# Allegro board HI3516AREFB VER.D.brd (continued)
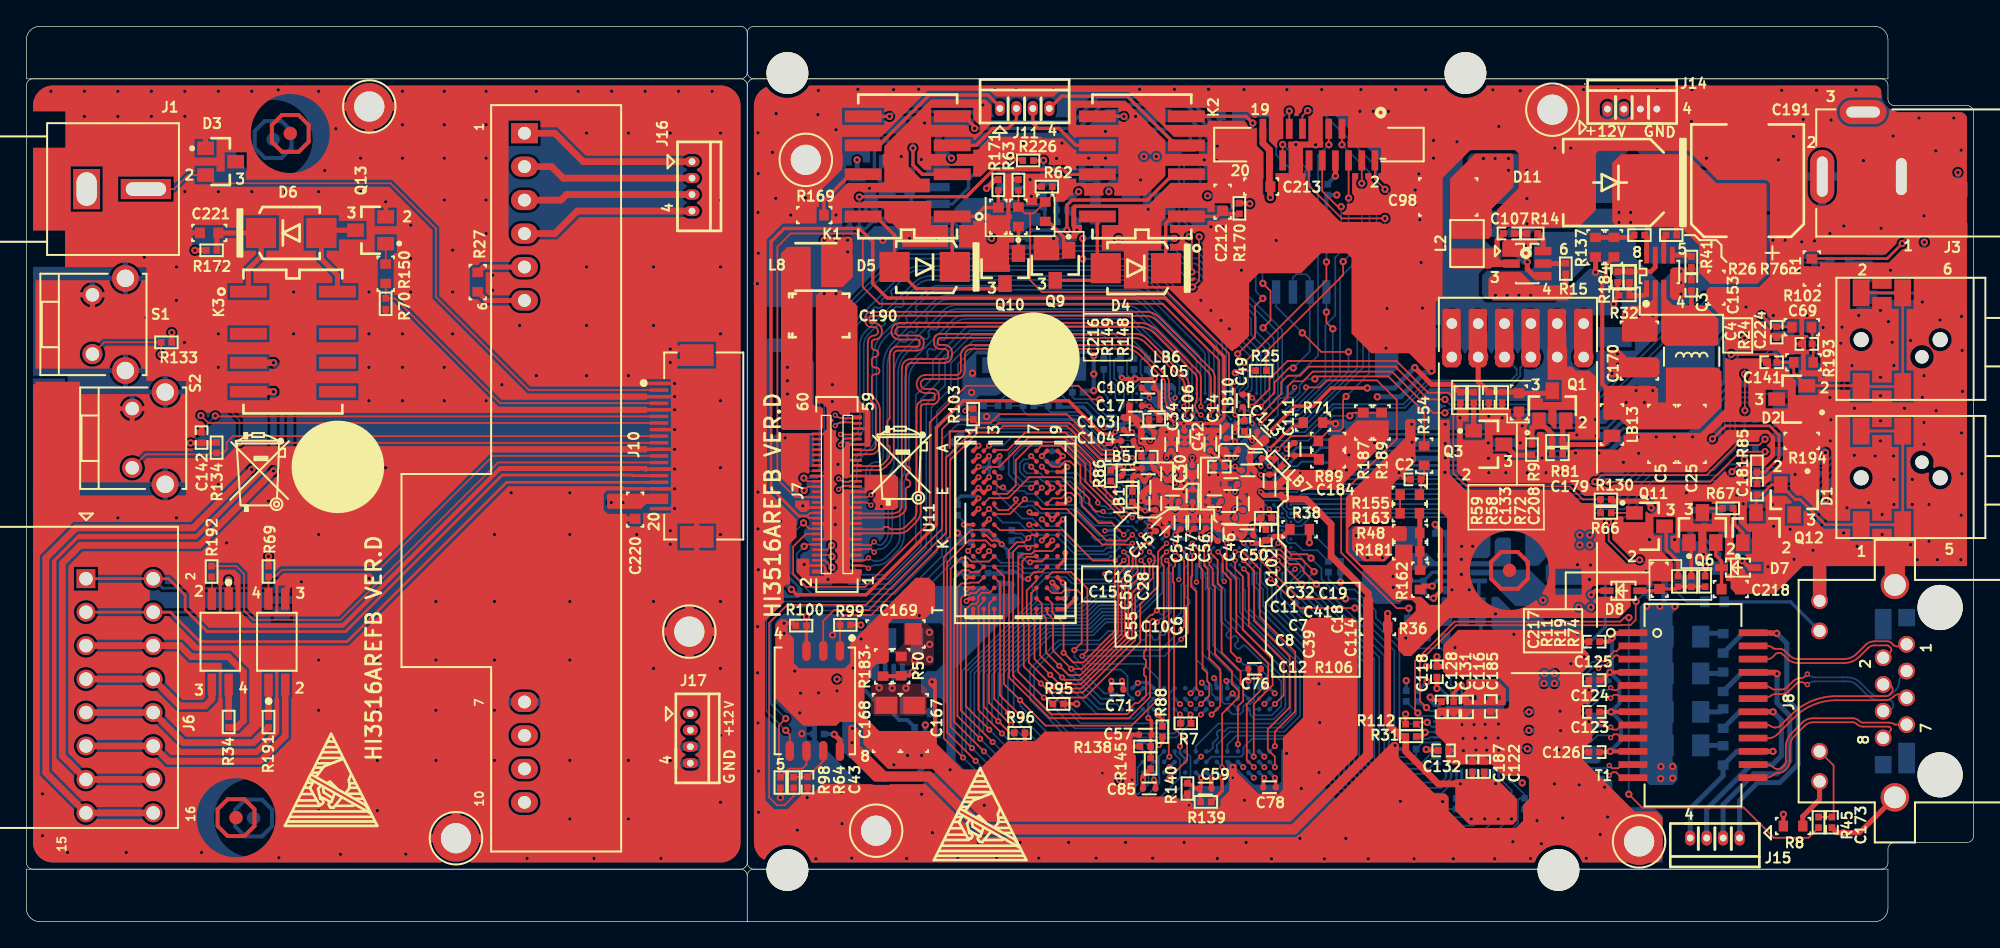
[diagram p0: board, top side]
## Routing (per net, layer and track width the routed paths; a pad name or vN(x,y) marks a point on that pad's centre or on a via; arc(x,y) is an arc through that point) (continued)
$5N578: length 3
  TOP w0.356: R26.2 121.8,51.94 R184.2 R137.1
$8N61: length 2.5
  TOP w0.254: R88.2 86.19,15.32 v3(85.82,15.68)
  BOTTOM w0.152: U12.L8 85.92,16.52 85.92,15.78 v3(85.82,15.68)
$8N208: length 2.4
  TOP w0.152: U11.L8 77.05,27.35 76.23,27.35 v3(76.16,27.28)
  BOTTOM w0.152: R87.2 75.95,27.28 v3(76.16,27.28)
$9N9: length 9
  BOTTOM w0.127: X1.1 75.53,40.65 76.28,39.9 76.28,39.32 R37.1 C200.1 77.53,38.83 77.68,38.68 79.97,38.68 81.62,37.03 82.1,37.03 U8.U1
$9N11: length 9.8
  BOTTOM w0.127: U8.U2 82.87,36.78 82.71,36.78 82.46,36.52 82.12,36.52 81.94,36.7 81.51,36.7 79.79,38.43 76,38.43 75.62,38.81 R37.2 R20.1
$9N21: length 4.9
  BOTTOM w0.127: X1.3 73.35,42.25 74.28,41.32 74.28,39.95 73.87,39.54 73.87,39.32 R20.2 C199.1
$9N36: length 6.6
  BOTTOM w0.127: X2.1 79.56,41.62 79.56,41.14 79.36,40.94 C197.1 79.36,39.85 79.54,39.67 80.68,39.67 81.88,38.46 82.62,38.46 U8.W2
$9N38: length 7
  BOTTOM w0.127: X2.2 77.4,41.51 77.91,40.99 77.91,40.97 78.34,40.53 C198.1 79.13,39.39 80.5,39.39 81.75,38.15 U8.W1
$9N193: length 5.9
  BOTTOM w0.127: U8.E19 94.3,29.36 95.44,29.36 95.61,29.18 95.61,28.9 95.78,28.73 96.3,28.73 96.84,28.19 97.95,28.19 R22.2
$9N253: length 3.3
  BOTTOM w0.127: R23.2 95.6,24.9 95.6,26.76 U8.B22
$9N273: length 19.9
  TOP w0.127: v1(100.79,23.81) 96.63,23.81 v2(94.4,26.03)
  BOTTOM w0.102: v2(94.4,26.03) 94.3,26.14 94.3,26.78 U8.B19
  BOTTOM w0.127: R29.2 103.79,14.84 103.79,20.57 101.28,23.08 101.28,23.32 v1(100.79,23.81)
$9N302: length 3.5
  TOP w0.127: U4.7 60.46,12.19 C43.1 58.25,10.99 R64.1
$9N313: length 12.7
  BOTTOM w0.127: U8.P1 81.83,34.9 79.29,37.44 71.32,37.44 R21.2
$10N55: length 2.7
  BOTTOM w0.13: R30.2 81.74,40.13 82.02,39.85 82.02,39.71 U8.AA1
$10N134: length 7.6
  BOTTOM w0.127: R105.1 97.67,29.38 95.81,29.38 95.6,29.59 95.6,29.86 95.44,30.02 95.11,30.02 94.98,30.15 94.98,30.45 94.75,30.68 94.3,30.68 U8.H19
$11N52: length 2
  BOTTOM w0.127: U5.6 96.1,54.83 R196.1
$11N242: length 6.5
  BOTTOM w0.203: C182.1 101.28,35.99 98.2,35.99 97.7,35.48 96.52,35.48 U8.P22
$11N297: length 4.9
  TOP w0.127: R25.2 91.88,41.83 v1(91.73,41.68)
  BOTTOM w0.127: v1(91.73,41.68) 92.08,41.32 92.08,40.79 91.69,40.4 91.69,39.1 U8.Y15
$11N310: length 1.9
  BOTTOM w0.127: R195.1 97.37,54.89 U5.7
$12N30: length 2.5
  BOTTOM w0.127: R35.2 109.7,10.58 U2.19
$12N55: length 2.2
  BOTTOM w0.127: U2.39 108.5,17.54 108.06,17.98 R33.1
$12N249: length 20.5
  TOP w0.305: C126.1 120.11,12.87 v1(120.17,12.93) T1.10 ; C123.1 120.23,15.92 v1(120.23,15.93) T1.7 ; T1.4 v1(120.14,18.93) 119.54,18.33 C124.1 ; T1.1 121.85,21.89 120.66,21.89 v1(120.3,21.54) 120.02,21.26 C125.1
  BOTTOM w0.305: v1(120.3,21.54) 120.3,19.09 v1(120.14,18.93) 120.86,18.21 120.86,16.56 v1(120.23,15.93) 120.99,15.18 120.99,13.75 v1(120.17,12.93)
$12N424: length 1.7
  BOTTOM w0.381: C193.1 128.71,13.38 R90.2
$12N434: length 1.8
  BOTTOM w0.381: R91.2 128.51,15.92 C194.1
$12N437: length 1.7
  BOTTOM w0.381: C195.1 128.63,18.84 R92.2
$12N444: length 1.8
  BOTTOM w0.381: C196.1 127.29,21.89 128.71,21.89 R93.2
$13N108:
  vias: v1(57.74,42.08) v1(57.74,41.07) v1(57.74,40.05)
$14N16: length 8.2
  BOTTOM w0.254: R46.1 133.84,24.28 J8.14
$14N24: length 4.7
  BOTTOM w0.127: R46.2 125.97,24.28 124.65,25.6 C172.1 R44.1
$14N29: length 6.5
  TOP w0.127: R45.1 C173.1 137.12,8.07 137.12,11.86 136.05,12.92 J8.15
$14N96: length 6.6
  TOP w0.381: 116.57,36.22 119.63,36.22 LB13.2 ; 116.57,36.22 R81.2 116.57,37.79 Q1.2 ; 116.57,36.22 C179.1
$14N104: length 2.5
  TOP w0.381: Q3.3 112.91,35.43 R9.1
$14N106: length 2.1
  TOP w0.381: Q3.1 R58.2
$14N148: length 3.9
  TOP w0.381: J8.16 136.05,9.27 134.78,8 R8.1
$14N159: length 4.9
  TOP w0.381: R9.2 114.23,37.49 Q1.1 115.76,37.03 R81.1 C179.2
$15N48: length 4.2
  BOTTOM w0.254: R10.2 126.28,29.33 R82.1 127.33,30.43 C180.2 128.27,30.42 Q2.1
$15N50: length 2.2
  BOTTOM w0.127: R60.2 125.03,25.83 Q4.1
$15N51: length 3.1
  BOTTOM w0.254: R10.1 128.48,27.93 Q4.3
$16N147: length 2
  BOTTOM w0.203: Q5.1 66.1,56.92 R185.2
$16N148: length 11.9
  BOTTOM w0.254: R185.1 65.54,55.44 Q5.2 64.35,56.64 64.35,58.49 R190.1 ; R185.1 67.33,55.76 U16.7 ; R185.1 67.14,55.32 R188.2 C243.2 65.23,54.17 R225.1
$16N152: length 12.8
  TOP w0.254: v1(74.81,57.88) 75.5,57.88 R226.2
  BOTTOM w0.254: R203.2 66.02,53.26 C243.1 R188.1 67.17,53.39 67.5,53.39 68.6,54.49 U16.6 70.27,54.49 71.48,55.7 71.48,56.36 73.01,57.88 v1(74.81,57.88)
$16N156: length 6.8
  BOTTOM w0.254: U16.5 70.23,53.22 70.59,52.85 R209.1 71.64,51.86 R228.2 71.69,52.27 71.94,52.52 73.44,52.52 R206.2
$16N158: length 4.5
  TOP w0.254: v1(77.17,57.8) 77.16,57.78 R226.1
  BOTTOM w0.254: v1(77.17,57.8) R229.2 76.98,57.03 U16.1
$16N159: length 3.8
  BOTTOM w0.254: R204.2 78.14,56.03 R229.1 76.9,55.76 U16.2
$16N166: length 1.9
  BOTTOM w0.254: R211.1 78.16,53.18 R200.1 R221.2
$16N170: length 2.1
  BOTTOM w0.254: R210.2 80.07,57.07 R205.1 R204.1
$16N171: length 2.7
  BOTTOM w0.254: R210.1 C227.1 81.24,54.89 R186.2
$16N199: length 4
  BOTTOM w0.254: R211.2 77.27,53.26 77.27,54.15 R208.1 77.02,54.41 74.58,54.41 U16.3
$16N257: length 1.6
  TOP w0.381: C107.2 112.07,52.22 111.59,51.74 111.59,50.85
$16N258: length 1
  TOP w0.381: R14.2 C107.1
$16N262: length 2.7
  BOTTOM w0.381: R18.1 111.44,53.54 R16.1 R13.2
$16N263: length 3.3
  TOP w0.381: v1(113.88,50.08) 113.88,49.55 114.42,49.01 U15.4
  BOTTOM w0.381: v1(113.88,50.08) 113.6,50.08 R13.1
$16N265: length 1.7
  TOP w0.381: U15.5 116.77,49.96 R15.2
$16N272: length 1.5
  TOP w0.381: U15.6 115.08,51.83 R14.1
$17N10: length 1.9
  BOTTOM w0.127: C159.2 89.06,55.56 U13.12
$17N32: length 2.2
  BOTTOM w0.254: C139.1 91.75,55.32 90.56,56.51 U13.9
$17N46: length 2.4
  BOTTOM w0.254: R77.1 88.09,61.13 89.06,60.17 U13.1
$17N50: length 1.5
  BOTTOM w0.254: R78.1 90.56,61.16 U13.4
$17N80: length 9
  TOP w0.254: R171.2 C216.1 72.66,54.21 71.99,53.53 K1.1 70.25,49.9 D5.2
$17N83: length 14.6
  TOP w0.254: K1.8 64.45,53.53 65.87,52.12 D5.1 67.52,48.05 73.87,48.05 Q10.3
$17N87: length 2.1
  TOP w0.254: Q10.1 R149.2
$17N129: length 9.5
  TOP w0.254: R170.2 90.98,53.74 C212.1 90.34,53.53 K2.1 86.97,53.53 86.44,53.01 86.44,49.64 D4.2
$17N132: length 3.1
  TOP w0.254: Q9.1 78.7,51.35 78.7,51.99 77.53,53.16 R148.2
$17N133: length 8.4
  TOP w0.254: Q9.3 80.98,48.69 D4.1 81.26,50.25 K2.8
$18N47: length 2.5
  BOTTOM w0.254: R175.2 146.26,50.72 146.59,50.39 LED1.1 LED1.3
$18N52: length 4.7
  BOTTOM w0.254: Q7.3 144.16,48.44 LED1.4
$18N54: length 2.8
  BOTTOM w0.254: Q7.1 140.25,49.75 139.94,50.06 R177.2
$18N62: length 2
  BOTTOM w0.254: R176.2 139.1,51.33 139.34,51.09 Q7.2
$18N72: length 1.9
  BOTTOM w0.254: R179.2 136.71,46.4 Q8.1
$18N75: length 1.6
  BOTTOM w0.254: Q8.2 136.08,48.43 R178.2
$18N77: length 6.9
  BOTTOM w0.254: Q8.3 140.08,47.71 LED1.2
$18N416: length 1.8
  TOP w0.127: Q11.1 R66.1
$18N425: length 4.2
  TOP w0.254: Q11.3 124.42,29.89 124.42,28.24 125.31,27.35 R11.1
$18N427: length 5.1
  TOP w0.254: D8.2 123.77,25.12 C217.1 125.14,25.26 R11.2 125.31,25.43 126.32,25.43 R19.1 126.33,25.43 R74.1
$18N435: length 3.7
  TOP w0.254: C218.1 128.62,26.87 D7.1 128.61,27.38 128.18,27.81 Q6.2
$18N438: length 2.6
  TOP w0.254: Q6.1 126.32,28.6 126.32,26.24 R19.2
$18N440: length 1.7
  TOP w0.254: Q6.3 127.48,31.38 R67.2
$18N442: length 2.9
  TOP w0.254: R67.1 129.62,31.25 129.62,30.14 130.22,29.54 Q12.1
$18N491: length 2.7
  TOP w0.203: R102.1 135.49,45.08 C69.1 135.57,43.79 R193.2
$18N517: length 12
  TOP w0.203: v1(142.32,51.48) 141.18,50.34 135.49,50.34 R1.1
  BOTTOM w0.381: LED2.2 143.3,52.46 v1(142.32,51.48)
$19N51: length 1.7
  TOP w0.127: R192.2 14.08,26.15 U10.2
$19N55: length 2.4
  TOP w0.508: R191.1 U9.1
$19N64: length 9.5
  TOP w0.381: R172.2 14.46,52.18 C221.1 D6.2 17.81,50.51 16.84,49.54 K3.1
$19N66: length 1.5
  TOP w0.127: R150.2 Q13.1
$19N67: length 7.6
  TOP w0.381: Q13.3 22.59,52.49 D6.1 22.38,50.31 23.6,49.09 K3.8
$19N114: length 2.4
  TOP w0.508: U10.4 15.35,15.57 R34.1
$19N229: length 3.8
  TOP w0.381: U1.6 34.91,47.16 R27.1
$19N230: length 3.7
  TOP w0.381: R27.2 34.65,49.7 U1.5

## Copper pours and planes (outline as drawn; the poured copper is in the pictures)
1V1_MEDIA_CORE on BOTTOM (solid shape): 119.06,29.71 119.06,28.27 118.78,27.99 115.65,27.99 114.69,27.02 113.8,27.02 113.72,27.1 113.72,29.64 114.05,29.97 118.8,29.97
1V1_MEDIA_CORE on POWER02 (solid shape): outline of 313 points within 90.13,28.24 119.44,35.43
1V1_VDD_DDR_CPU_CORE on TOP (solid shape): 104.73,29.89 104.73,29 104.6,28.88 103.72,28.88 103.59,28.75 103.59,27.89 103.06,27.35 101.48,27.35 100.59,28.24 100.59,29.79 100.82,30.02 104.6,30.02
1V1_VDD_DDR_CPU_CORE on BOTTOM (solid shape): 105.93,29.82 105.93,28.85 105.57,28.49 103.97,28.49 103.96,28.48 103.69,28.48 103.39,28.18 103.39,27.74 103,27.35 101.02,27.35 100.31,28.06 100.31,29.71 100.62,30.02 105.72,30.02
1V1_VDD_DDR_CPU_CORE on POWER02 (solid shape): outline of 554 points within 85.84,26.74 103.74,36.33
1V05_REGOUT on BOTTOM (solid shape): 115.93,19.94 115.93,19.12 116.06,19.12 116.34,18.84 116.34,17.93 116.21,17.8 113.57,17.8 113.42,17.95 113.42,19.6 115.4,19.6 115.4,19.99 115.15,19.99 115.15,19.6 113.42,19.6 113.42,19.96 113.57,20.11 115.76,20.11
1V05_REGOUT on POWER02 (solid shape): outline of 85 points within 105.8,12.57 116.29,19.58
1V8 on TOP (solid shape): 63.25,14.47 63.25,13.36 65.64,10.97 65.64,10.89 65.39,10.64 64.32,10.64 62.36,12.59 62.36,14.8 62.47,14.91 62.82,14.91
1V8 on BOTTOM (solid shape): 63.74,16.46 63.74,15.29 64.04,14.98 64.04,12.49 63.94,12.39 62.47,12.39 61.91,12.95 61.91,16.66 62.06,16.81 63.38,16.81
1V35 on TOP: 68.84,22.12 68.84,19.66 68.64,19.45 66.25,19.45 65.95,19.76 65.95,20.52 66.56,21.13 66.56,22.58 66.66,22.68 68.28,22.68
1V35 on BOTTOM: 67.11,22.32 69.2,22.32 69.35,22.17 69.35,19.91 69.02,19.58 67.27,19.58 67.11,19.73
1V35 on POWER02: 70.47,29.03 70.47,29.09 70.54,29.09 70.96,29.21 71.06,29.63 71.07,29.72 71.15,29.77 71.49,30.02 71.38,30.43 70.93,30.47 70.75,30.06 70.73,29.98 70.65,29.94 70.59,29.94 70.53,29.95 70.47,30.04 70.47,34.8 72.35,36.67 73.67,36.67 74.23,37.23 78.93,37.23 81.67,34.49 82.97,34.49 82.98,34.46 83.22,34.27 83.5,34.38 83.67,34.38 83.7,34.35 83.74,34.32 83.99,34.07 84.66,33.4 85.46,33.4 85.88,32.98 85.88,32.13 86.24,31.77 86.24,30.91 87.36,29.79 90.05,29.79 90.06,29.78 91.11,29.78 91.19,29.74 91.21,29.66 91.19,29.54 91.22,29.43 91.26,29.36 91.32,29.3 91.43,29.25 91.55,29.23 91.74,29.31 91.84,29.48 91.92,29.55 92.02,29.53 92.35,29.19 92.38,29.09 92.3,29.02 92.07,28.63 92.49,28.44 92.64,28.3 92.64,27.96 93.83,26.76 93.83,25.52 97.09,22.26 97.09,11.6 94.62,9.14 73.34,9.14 68.97,13.51 68.97,16.54 67.45,18.06 67.45,18.06 67.04,18.47 67.04,25.6
3V3 on TOP (solid shape): 62.69,51.86 62.69,48.94 61.93,48.18 60.44,48.18 60.31,48.31 60.31,51.9 60.41,51.99 62.57,51.99
3V3 on TOP (solid shape): 128.61,41.75 128.61,39.06 126.93,37.38 121.65,37.38 120.91,38.12 119.84,38.12 119.67,38.3 119.67,40.51 119.84,40.69 123.58,40.69 123.81,40.46 123.81,39.42 124.39,39.42 124.39,41.88 124.57,42.06 128.3,42.06
3V3 on TOP (solid shape): 112.25,17.65 112.25,16.51 112.16,16.42 109.11,16.42 108.92,16.61 108.92,16.81 111.84,16.81 111.84,17.19 111.59,17.19 111.59,16.81 110.95,16.81 110.95,17.19 110.7,17.19 110.7,16.81 110.07,16.81 110.07,17.19 109.81,17.19 109.81,16.81 109.68,16.81 109.68,17.19 109.43,17.19 109.43,16.81 108.92,16.81 108.92,17.27 109.25,17.6 109.25,17.78 109.26,17.82 109.28,17.87 109.28,17.93 109.28,17.99 109.26,18.04 109.25,18.08 109.25,18.31 109.35,18.41 111.49,18.41
3V3 on BOTTOM (solid shape): 87.71,58.7 88.63,58.7 88.68,58.66 88.68,58.51 88.62,58.45 87.76,58.45 86.74,57.43 84.82,57.43 84.41,57.83 84.41,58.72 84.92,59.23 87.18,59.23
3V3 on BOTTOM (solid shape): 115.48,25.29 118.73,25.29 119.03,24.99 119.03,23.72 118.63,23.31 115.32,23.31 114.69,23.95 112.99,23.95 111.5,25.43 111.5,25.83 111.25,26.08 111.25,26.09 111.06,26.29 109.67,26.29 109.57,26.39 109.57,26.68 109.61,26.72 114.05,26.72
3V3 on TOP: 64.3,18.06 67.93,18.06 68.33,17.65 68.33,15.87 68.08,15.62 64.35,15.62 64.09,15.87 64.09,17.85
3V3 on BOTTOM: 65.62,19.6 66,19.6 66,18.23 66.16,18.07 66.85,18.07 67.01,17.9 67.01,17.52 66.84,17.34 64.47,17.34 64.4,17.42 64.4,17.98 64.47,18.06 65.44,18.06 65.62,18.23
3V3 on POWER02: outline of 318 points within 55.71,5 146.73,62.97 ; 5 cut-outs
3V3_CON on TOP (solid shape): 46.68,32.47 48.65,32.47 48.67,32.45 48.67,31.76 48.66,31.73 48.62,31.71 47.02,31.71 46.65,31.34 44.18,31.34 44.05,31.47 44.05,32.37 44.16,32.48 46.68,32.48
3V3_CON on POWER02: 2.06,5.25 52.61,5.25 53.42,6.07 53.42,61.95 52.66,62.71 1.71,62.71 1.27,62.28 1.27,6.04
3V3_WIFI on TOP (solid shape): 110.83,46.4 110.83,42.34 110.57,42.08 109.68,42.08 109.43,42.34 109.43,46.4 109.56,46.53 110.7,46.53
12V0 on TOP (solid shape): 114.38,48.31 117.18,48.31 117.3,48.18 117.3,47.54 116.92,47.16 111.26,47.16 110.93,47.49 110.93,48.81 111.44,49.32 113.37,49.32
12V0 on TOP (solid shape): 123.76,48.61 123.76,44.17 123.63,44.04 121.14,44.04 121.06,44.12 121.06,46.17 121.65,46.76 122.89,46.76 123.4,47.27 123.4,48.64 123.45,48.69 123.68,48.69
12V0 on TOP (solid shape): 128.23,56.05 131.91,56.05 132.04,55.93 132.04,49.15 131.33,48.43 127.74,48.43 126.93,49.25 126.93,51.33 125.51,52.75 120.71,52.75 120.33,53.13 120.33,57.6 120.99,58.26 126.02,58.26
12V0 on BOTTOM (solid shape): 122.11,53.92 122.11,50.34 124.04,48.41 124.04,46.02 123.65,45.64 121.34,45.64 121.04,45.94 121.04,48.43 119.39,50.08 118.6,50.08 115.78,47.27 110.8,47.27 110.45,47.62 110.45,49.07 110.8,49.42 114.1,49.42 114.36,49.68 114.36,51.08 114.38,51.1 114.38,52.12 114.64,52.37 117.38,52.37 117.94,52.93 117.94,53.89 118.17,54.12 121.9,54.12
DVDDIO_ETH on TOP (solid shape): 113.09,9.32 113.09,7.67 112.78,7.36 109.48,7.36 108.41,8.43 108.41,10.74 108.49,10.82 111.59,10.82
DVDDIO_ETH on POWER02 (solid shape): outline of 550 points within 92.83,22.5 103.59,29.11
GND on TOP (solid shape): 116.83,46.4 116.83,42.34 116.57,42.08 115.68,42.08 115.43,42.34 115.43,46.4 115.56,46.53 116.7,46.53
GND on TOP (solid shape): 125.81,49.53 125.81,47.44 125.56,47.19 124.95,47.19 124.72,47.42 124.72,49.48 124.9,49.65 125.69,49.65
GND on TOP (solid shape): 78.32,51.9 78.32,51.84 78.31,51.84 78.31,51.35 78.37,51.29 78.37,50.21 76.42,50.21 76.42,52.12 78.1,52.12
GND on TOP (solid shape): 121.45,42.85 123.65,42.85 123.91,42.59 123.91,41.58 123.65,41.32 120.18,41.32 120.02,41.47 120.02,43.2 120.23,43.4 120.89,43.4
GND on TOP (solid shape): 114.68,51.67 114.68,51.43 114.24,51.43 114.24,50.55 114.19,50.46 114.09,50.46 113.83,50.52 113.6,50.42 113.54,50.41 113.51,50.46 113.51,50.48 111.97,50.48 111.97,50.75 111.98,50.8 111.98,50.85 111.98,51.57 112.2,51.79 114.56,51.79
GND on TOP (solid shape): outline of 85 points within 70.77,49.32 74.94,56.79
GND on TOP (solid shape): outline of 189 points within 56.83,7.59 101,26.11
GND on TOP (solid shape): outline of 511 points within 57.25,25.68 66.15,47.92
GND on TOP (solid shape): outline of 1226 points within 83.04,28.92 103.36,39.42
GND on TOP (solid shape): outline of 4499 points within 55.2,4.49 147.23,63.48
GND on BOTTOM (solid shape): 119.44,13.23 119.44,12.19 119.26,12.01 116.16,12.01 116.01,12.16 116.01,13.23 116.14,13.36 119.31,13.36
GND on BOTTOM (solid shape): 119.16,27.02 119.16,25.95 118.78,25.57 115.58,25.57 115.27,25.88 115.27,27.02 115.6,27.35 118.83,27.35
GND on BOTTOM (solid shape): 135.21,49.58 135.49,49.58 135.49,49.17 135.39,49.17 135.39,47.77 133.76,47.77 133.76,48.41 132.85,48.41 132.85,47.43 132.04,47.43 132.04,48.06 133.75,49.77 135.21,49.77
GND on BOTTOM (solid shape): 104.17,26.11 104.17,25.27 104.33,25.12 105.14,25.12 105.14,24.74 105.11,24.71 104.6,24.71 104.48,24.58 104.48,24.41 104.2,24.13 102.32,24.13 101.33,25.12 101.33,26.56 101.52,26.76 103.53,26.76
GND on BOTTOM (solid shape): 112.76,23.57 114.51,23.57 115.27,22.81 117.76,22.81 118.02,22.55 118.02,21.31 117.71,21 112.81,21 112.4,21.42 112.4,22.12 111.34,22.12 111.16,22.3 111.16,24.57 111.26,24.67 111.65,24.67
GND on BOTTOM (solid shape): 125.41,24.16 125.41,23.9 124.9,23.39 124.9,12.21 125.28,11.83 125.28,10.75 124.9,10.37 123.16,10.37 122.41,11.12 122.41,23.93 122.75,24.27 125.31,24.27
GND on BOTTOM (solid shape): 119.82,15.81 119.86,15.71 119.92,15.63 119.92,14.99 119.87,14.9 119.85,14.8 119.84,14.79 119.77,14.72 118.97,14.72 118.47,14.22 116.22,14.22 116.11,14.32 116.11,14.61 116.26,14.77 117.54,14.77 118.65,15.87 119.76,15.87
GND on BOTTOM (solid shape): 73.41,53.97 75.59,53.97 75.59,54.08 76.72,54.08 76.72,53.79 76.94,53.79 76.94,53.12 76.94,52.83 76.15,52.83 75.67,52.36 75.67,52.32 75.55,52.32 75.55,52.19 75.37,52.19 75.37,52.32 74.11,52.32 73.58,52.85 71.8,52.85 71.45,52.5 70.92,52.5 70.92,52.99 70.42,53.5 70.42,54.16 71.19,54.94 73.41,54.94
GND on BOTTOM (solid shape): 136.4,34.25 136.5,34.19 136.48,34.07 135.74,33.33 129.43,33.33 129.34,33.42 129.34,33.61 129.46,33.73 129.48,33.73 129.72,33.85 129.84,34.09 129.84,34.11 129.98,34.25
GND on BOTTOM (solid shape): 111.08,29.77 111.08,27.84 110.85,27.61 109.3,27.61 109.3,26.77 109.25,26.72 109.25,26.23 109.36,26.12 109.36,25.49 109.69,25.49 109.82,25.37 109.82,24.94 109.71,24.84 107.58,24.84 107.45,24.96 107.45,25.39 107.55,25.49 108.49,25.49 108.49,27.83 108.49,27.83 108.49,28.55 108.8,28.85 109.68,28.85 109.99,29.16 109.99,29.79 110.17,29.97 110.88,29.97
GND on BOTTOM (solid shape): 92.82,52.6 92.82,49.2 92.36,48.74 91.85,48.74 89.15,51.44 89.12,51.53 89.18,51.6 89.4,52.1 88.95,52.42 88.93,52.42 88.11,53.24 88.11,54.16 88.35,54.4 91.02,54.4
GND on BOTTOM (solid shape): 122.51,29.48 123.86,29.48 123.86,29.53 124.21,29.53 124.21,29.48 125.2,29.48 125.81,28.87 125.81,28.87 127.07,28.87 127.73,28.21 127.73,27.75 127.38,27.4 127.33,27.4 127.31,27.4 126.99,27.13 127.04,26.72 125,26.72 125,26.89 125,26.89 125,27.91 124.62,27.91 124.62,27.91 123.73,27.91 123.73,28.6 122.82,28.6 122.82,27.91 122.29,27.91 121.93,28.27 121.93,29.38 122.08,29.53 122.51,29.53
GND on BOTTOM (solid shape): 137.31,41.13 137.31,35.49 136.49,34.68 134.72,34.68 134.6,34.79 134.6,35.78 134.76,35.94 135.52,35.94 136.18,35.28 136.82,35.28 136.82,35.93 136.43,36.32 136.43,38.06 135.05,39.44 135.03,39.44 134.42,40.05 134.42,40.56 134.15,40.84 132.67,40.84 132.67,41.53 134.27,41.53 134.42,41.68 134.42,42.8 134.73,43.1 135.34,43.1
GND on BOTTOM (solid shape): 118.88,18.97 118.95,19 119.03,18.97 119.21,18.87 119.42,18.89 119.62,18.89 119.74,18.77 119.86,18.6 120.05,18.51 120.06,18.5 120.27,18.29 120.29,18.18 120.2,18.12 119.99,18.05 119.84,17.85 119.81,17.84 119.43,17.84 117.19,15.61 116.22,15.61 116.09,15.74 116.09,16.24 116.39,16.54 116.45,16.54
GND on BOTTOM (solid shape): outline of 83 points within 70.54,37.96 76.64,43.35
GND on BOTTOM (solid shape): outline of 980 points within 55.2,4.49 124.14,41.32
GND on BOTTOM (solid shape): outline of 1858 points within 81.49,28.9 94.12,40.91
GND on BOTTOM (solid shape): outline of 2864 points within 55.2,25.83 147.23,63.48
GND on POWER02: 59.1,25.37 58.12,26.35 58.12,34.08 60.49,36.45 60.49,43.53 64.6,47.65 86.52,47.65 86.53,47.63 89.24,47.63 91.16,45.71 91.57,45.3 91.57,41.42 91.88,41.12 91.88,40.84 91.87,40.83 91.87,38.57 91.15,37.85 91.15,36.7 91.04,36.6 86.24,36.6 86.19,36.64 86.19,40.37 85.77,40.79 85.75,40.83 85.74,40.87 85.84,40.93 85.92,41.01 85.98,41.31 85.8,41.55 85.48,41.59 85.25,41.36 85.21,41.37 85.17,41.39 83.74,42.83 73.4,42.83 71.89,41.31 71.26,41.31 68.17,38.21 68.17,29.9 63.63,25.37
GND on GND03: 59.55,4.49 59.45,4.74 59.32,4.97 59.05,5.3 58.71,5.55 57.58,5.81 56.5,5.36 56.25,5.09 56.05,4.77 55.99,4.72 55.9,4.73 55.39,5.28 55.2,6.02 55.2,61.95 55.47,62.81 56.17,63.37 56.28,63.22 56.4,63.09 56.41,63.07 58,62.55 59.38,63.48 107.54,63.48 109.18,62.53 110.82,63.48 114.62,63.48 114.72,63.4 114.68,63.29 115.78,59.66 116.88,63.29 116.84,63.4 116.94,63.48 140.23,63.48 140.58,63.33 140.73,62.97 140.74,62.79 140.77,62.62 140.74,62.52 140.64,62.5 140.43,62.56 140.22,62.58 138.49,62.58 137.37,61.46 138.49,60.34 140.22,60.34 141.04,60.71 141.33,61.56 141.38,61.65 141.48,61.65 141.86,61.5 142.26,61.44 146.73,61.44 147.08,61.29 147.23,60.94 147.23,33.91 147.23,27 134.75,27 133.13,25.37 127.52,25.37 125.48,23.34 125.48,10 123.31,7.83 123.28,7.85 120.75,7.25 120.99,4.66 121.01,4.55 120.91,4.49 118.05,4.49 116.24,5.82 114.44,4.49
PGND on TOP (solid shape): outline of 3522 points within 0.51,4.49 54.19,63.48
PGND on BOTTOM (solid shape): outline of 4013 points within 0.51,4.49 54.19,63.48
PGND on GND03 (solid shape): outline of 4020 points within 0.51,4.49 54.19,63.48
IRIS_5V0 on TOP (solid shape): 112.83,58.19 112.83,55.77 111.18,54.12 111.18,52.09 110.93,51.84 108.16,51.84 108.02,51.98 108.02,56.02 108.03,56.03 108.03,56.41 109.94,58.31 112.71,58.31
IRIS_5V0 on BOTTOM (solid shape): 113.22,58.19 113.22,54.58 113.11,54.48 110.68,54.48 109.35,55.8 109.35,58.04 109.63,58.31 113.09,58.31
IRIS_5V0 on POWER02 (solid shape): outline of 2210 points within 62.31,56.66 112.83,62.91
Net_93 on TOP (solid shape): 108.83,46.4 108.83,42.34 108.57,42.08 107.68,42.08 107.43,42.34 107.43,46.4 107.56,46.53 108.7,46.53
Net_93 on TOP (solid shape): 118.83,46.4 118.83,42.34 118.57,42.08 117.68,42.08 117.43,42.34 117.43,46.4 117.56,46.53 118.7,46.53
Net_119 on BOTTOM (solid shape): 107.04,43.61 104.51,43.61 104.51,45.06 107.04,45.06
Net_119 on BOTTOM (solid shape): 121.79,43.61 119.26,43.61 119.26,45.14 121.79,45.14
Net_144 on BOTTOM (solid shape): 143.29,22.43 142.02,22.43 142.02,23.75 143.29,23.75
Net_145 on BOTTOM (solid shape): 141.51,21.41 140.24,21.41 140.24,23.75 141.51,23.75
Net_146 on BOTTOM (solid shape): 143.29,11.25 142.02,11.25 142.02,13.59 143.29,13.59
Net_147 on BOTTOM (solid shape): 141.51,11.25 140.24,11.25 140.24,12.57 141.51,12.57
POE_12V on BOTTOM (solid shape): 121.6,62.12 121.6,58.57 120.61,57.58 120.61,54.81 120.35,54.56 118.17,54.56 118.07,54.66 118.07,58.44 119.57,59.94 119.57,62 119.82,62.25 121.47,62.25
POE_12V_CON on POWER02 (solid shape): 51.69,16.61 51.69,14.78 50.91,14 49.82,14 49.74,14.04 49.65,14.05 46.88,14.05 46.08,13.25 36.9,13.25 36.68,13.48 36.68,14.78 36.97,15.08 40.09,15.08 40.1,15.09 40.43,15.09 42.41,17.07 51.23,17.07
USB_DM on TOP (solid shape): 112.83,46.4 112.83,42.34 112.57,42.08 111.68,42.08 111.43,42.34 111.43,46.4 111.56,46.53 112.7,46.53
USB_DP on TOP (solid shape): 114.83,46.4 114.83,42.34 114.57,42.08 113.68,42.08 113.43,42.34 113.43,46.4 113.56,46.53 114.7,46.53
$5N189 on BOTTOM (solid shape): 112.63,29.03 112.63,27.02 112.58,26.97 109.56,26.97 109.56,27.35 110.95,27.35 111.4,27.8 111.4,28.91 111.64,29.16 112.5,29.16
$5N227 on BOTTOM (solid shape): 106.89,27.35 108.02,27.35 108.13,27.25 108.13,27.04 108.05,26.97 106.38,26.97 106.13,26.72 104.05,26.72 103.84,26.92 103.84,27.86 103.97,27.99 106.26,27.99
$5N272 on BOTTOM: 65.01,17.04 65.31,17.04 65.34,17.01 65.34,15.59 66.17,14.75 66.17,12.52 66.1,12.44 64.98,12.44 64.87,12.56 64.87,15.58 64.98,15.69 64.98,17.01
$5N295 on BOTTOM: 65.01,18.31 65.29,18.31 65.34,18.36 65.34,19.73 66,20.39 66,22.27 65.95,22.32 64.63,22.32 64.37,22.07 64.37,20.52 65.01,19.88
$5N399 on BOTTOM (solid shape): outline of 93 points within 126.7,53.93 138.02,58.97
$5N405 on BOTTOM (solid shape): 126.07,56.74 126.07,54.15 126.83,53.39 129.12,53.39 129.37,53.13 129.37,50.21 129.12,49.96 123.22,49.96 122.77,50.42 122.77,56.89 122.99,57.12 125.69,57.12
$5N498 on TOP (solid shape): 124.42,48.69 124.42,47.32 124.94,46.8 127.33,46.8 128.37,45.75 128.37,43.86 128.24,43.73 124.34,43.73 124.04,44.04 124.04,48.69 124.09,48.74 124.37,48.74
$12N66 on BOTTOM (solid shape): 112.86,19.99 112.86,16.84 112.73,16.71 112.1,16.71 112.01,16.8 112.01,17.55 111.67,17.89 111.67,20.06 111.72,20.11 112.73,20.11
$13N108 on TOP (solid shape): 59.49,48.14 59.65,47.99 59.65,39.34 59.9,39.09 60.29,39.09 60.46,38.92 60.46,37.48 60.31,37.34 59.4,37.34 59.4,37.33 57.38,37.33 57.25,37.46 57.25,50.74 57.74,51.23 59.49,51.23
$13N108 on BOTTOM (solid shape): 59.77,42.46 59.77,37.64 59.65,37.51 57.36,37.51 57.23,37.64 57.23,42.46 57.36,42.59 59.65,42.59
$16N257 on TOP (solid shape): 111.72,50.97 111.72,50.34 111.84,50.21 113.11,50.21 113.24,50.08 113.24,49.83 113.11,49.7 111.21,49.7 111.08,49.58 108.19,49.58 108.03,49.73 108.03,50.97 108.16,51.1 111.59,51.1
GND on BOTTOM (solid shape): 90.63,59.15 90.65,59.12 90.66,59.09 90.66,57.56 90.63,57.5 90.56,57.48 90.44,57.45 90.34,57.39 90.31,57.38 90.28,57.39 89.92,57.45 89.73,57.14 89.73,56.51 89.73,56.31 89.39,56.31 89.39,57.14 89.29,57.38 89.06,57.48 88.99,57.5 88.96,57.56 88.96,59.09 88.97,59.12 88.99,59.15

## Text on the board
BOTTOM: HI3516AREFB VER.D ARTWORK BOTTOM
Package Geometry/Pastemask Bottom: HI3516AREFB VER.D PASTEMASK BOTTOM
Ref Des/Silkscreen Bottom: 3 | HI3516AREFB VER.D SILKSCREEN BOTTOM
User.Comments: HI3516AREFB VER.D SOLDMASK TOP | HI3516AREFB VER.D SOLDMASK BOTTOM
TOP: HI3516AREFB VER.D ARTWORK TOP
Package Geometry/Pastemask Top: HI3516AREFB VER.D PASTEMASK TOP
Ref Des/Silkscreen Top: 12 | V | G | N | D | HI3516AREFB VER.D | HI3516AREFB VER.D SILKSCREEN TOP
POWER02: HI3516AREFB VER.D ARTWORK LAYER02
GND03: HI3516AREFB VER.D ARTWORK LAYER03
DIMENSION: 130 | C | 150 | Single Impedance | Diff Impedance | 100 ohm | 50 ohm | 90 ohm | Layer | 4 | 1 | 1,4 | Trace Width(mil) | Trace W/S(mil) | 5.01/7.0 | 5.5/5.0 | 5.1 | Tolerance | + | - | 10% | Ref Layer | 02 | 03 | Remark | HI3516AREFB VER.D DRILL CHART | V-CUT
User.12: FIGURE | SIZE | 8.0 | 10.0 | 20.0 | 31.5 | 36.0 | 38.0 | 40.0 | 52.0 | 65.0 | 90.0 | 45.0 | 125.0 | 135.0 | 100.0x32.0 | 100.0x60.0 | 110.0x32.0 | 120.0x32.0 | 120.0x40.0 | DRILL CHART: TOP to BOTTOM | ALL UNITS ARE IN MILS | TOLERANCE | +3.0/-3.0 | +0.0/-0.0 | +2.0/-2.0 | +4.0/-4.0 | PLATED | NON-PLATED | QTY | 315 | 770 | 20 | 12 | 10 | 16 | 4 | 2 | 7 | 1
